# Altium PCB PCB-Tester-Board.PcbDoc (part 6 of 7)
Units mm, origin at the board's own origin, x right, y up, seen from the top; angles counter-clockwise.
Board outline 400 x 300 mm, 8 copper layers (Top Layer, Inner1, Inner2, Inner3, Inner4, Inner5, Inner6, Bottom Layer), stack 1.515 mm thick; 757 components, 658 nets, 2830 pads, 1016 vias.
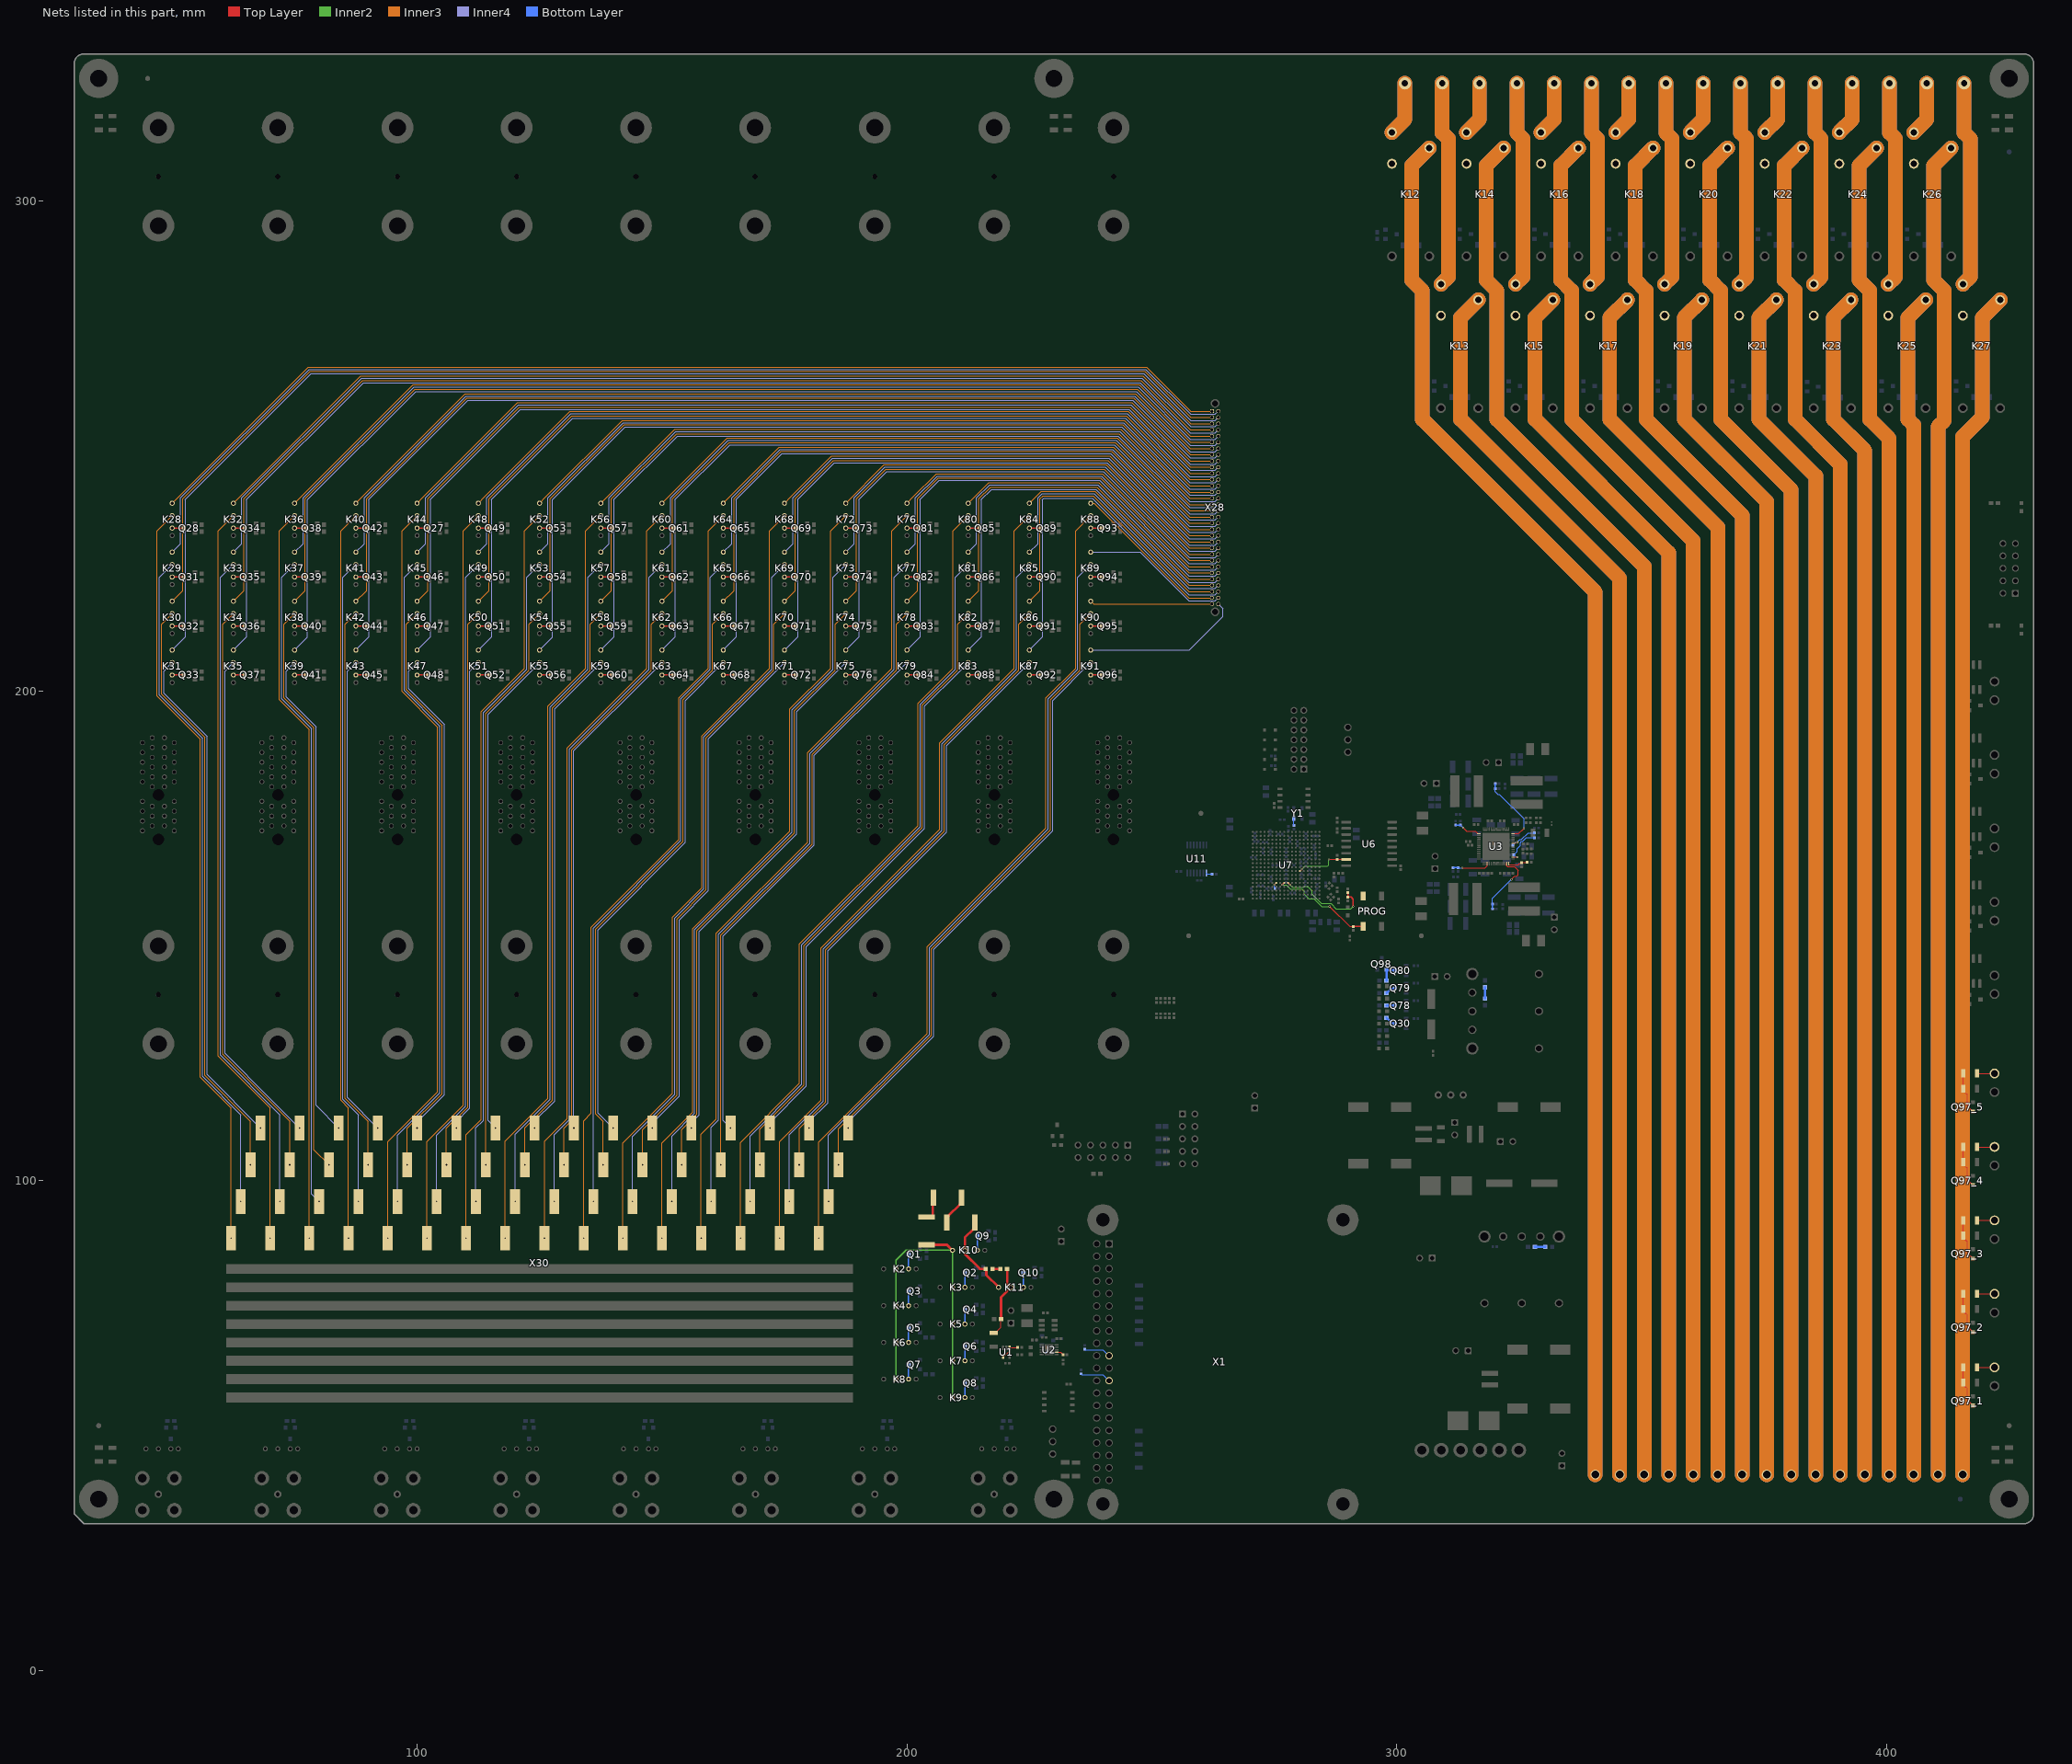
[diagram p12: the nets of this part, all layers, seen from the top]

## Via types
v1: diameter 0.4, hole 0.2, Top Layer to Bottom Layer, 601 vias
v2: diameter 0.8, hole 0.3, Top Layer to Bottom Layer, 361 vias
v3: diameter 0.7, hole 0.3, Top Layer to Bottom Layer, 54 vias

## Nets (pads, with @x,y where several pads share a name; then routed paths per layer and width w, separated by ;. In a path a pad name is that pad's centre, name@x,y a point inside that pad or via, vN(x,y) a via of type N, cw(c..) or ccw(c..) an arc to the next point about the centre after c; other vN are vias at no path point) (continued)
NetK2_2: K2.2 Q1.3 | length 3
  Bottom Layer w0.254: K2.2@200.33,82 Q1.3@200.33,84.98
NetK2_3: K2.3 K3.3 K4.3 K5.3 K6.3 K7.3 K8.3 K9.3 K10.4 R109.2 | length 72.4
  Top Layer w0.508: R109.2@204,86.9 208.18,86.9 K10.4@209.29,85.79
  Inner2 w0.254: K8.3@197.79,59.5 K6.3@197.79,67 K4.3@197.79,74.5 K2.3@197.79,82 197.79,83.79 199.79,85.79 K10.4@209.29,85.79 K3.3@209.29,78.25 K5.3@209.29,70.75 K7.3@209.29,63.25 K9.3@209.29,55.75
NetK3_2: K3.2 Q2.3 | length 3
  Bottom Layer w0.254: K3.2@211.83,78.25 Q2.3@211.83,81.23
NetK4_2: K4.2 Q3.3 | length 3
  Bottom Layer w0.254: K4.2@200.33,74.5 Q3.3@200.33,77.48
NetK5_2: K5.2 Q4.3 | length 3
  Bottom Layer w0.254: K5.2@211.83,70.75 Q4.3@211.83,73.73
NetK6_2: K6.2 Q5.3 | length 3
  Bottom Layer w0.254: K6.2@200.33,67 Q5.3@200.33,69.98
NetK7_2: K7.2 Q6.3 | length 3
  Bottom Layer w0.254: K7.2@211.83,63.25 Q6.3@211.83,66.23
NetK8_2: K8.2 Q7.3 | length 3
  Bottom Layer w0.254: K8.2@200.33,59.5 Q7.3@200.33,62.48
NetK9_2: K9.2 Q8.3 | length 3
  Bottom Layer w0.254: K9.2@211.83,55.75 Q8.3@211.83,58.73
NetK10_2: K10.2 Q9.3 | length 3
  Bottom Layer w0.254: K10.2@214.37,85.79 Q9.3@214.37,88.77
NetK10_3: K10.3 K11.4 R110.2 R111.2 | length 17.6
  Top Layer w0.508: R110.2@213.85,91.5 213.85,90.4 213.554,90.104 213.535,90.104 211.83,88.399 K10.3@211.83,85.79 211.837,85.783 211.837,85.017 214.854,82 216.059,82 216.205,81.854 216.205,80.743 K11.4@218.698,78.25
NetK11_2: K11.2 Q10.3 | length 3
  Bottom Layer w0.254: K11.2@223.778,78.25 Q10.3@223.778,81.23
NetK11_3: K11.3 R13.2 R112.2 R177.2 | length 15.1
  Top Layer w0.152: R177.2@217.677,68.959 218.077,68.959 219.2,70.082 R13.2@219.2,71.75
  Top Layer w0.508: R13.2@219.2,71.75 219.206,71.756 219.206,76.218 K11.3@221.238,78.25 220.45,79.038 R112.2@220.45,82
NetK12_2: K12.2 X6.1 | length 575.7
  Inner3 w3: K12.2@306.62,310.8 303,307.18 303,283.876 305.21,281.666 305.21,255.445 340.5,220.155 X6.1@340.5,40
  Inner4 w3: K12.2@306.62,310.8 303,307.18 303,283.876 305.21,281.666 305.21,255.445 340.5,220.155 X6.1@340.5,40
NetK12_3: K12.3 X5.2 | length 22.2
  Inner3 w3: K12.3@299,314 301.655,316.655 X5.2@301.655,324
  Inner4 w3: K12.3@299,314 301.655,316.655 X5.2@301.655,324
NetK12_4: K12.4
NetK13_2: K13.2 X6.2 | length 509.5
  Inner3 w3: K13.2@316.62,279.8 313,276.18 313,255.445 345.5,222.945 X6.2@345.5,40
  Inner4 w3: K13.2@316.62,279.8 313,276.18 313,255.445 345.5,222.945 X6.2@345.5,40
NetK13_3: K13.3 X5.1 | length 84.3
  Inner3 w3: K13.3@309,283 310.5,284.5 310.5,312.695 309.265,313.93 X5.1@309.265,324
  Inner4 w3: K13.3@309,283 310.5,284.5 310.5,312.695 309.265,313.93 X5.1@309.265,324
NetK13_4: K13.4
NetK14_2: K14.2 X9.1 | length 571.3
  Inner3 w3: K14.2@321.84,310.8 318.22,307.18 318.22,283.876 320.43,281.666 320.43,255.445 350.5,225.375 X9.1@350.5,40
  Inner4 w3: K14.2@321.84,310.8 318.22,307.18 318.22,283.876 320.43,281.666 320.43,255.445 350.5,225.375 X9.1@350.5,40
NetK14_3: K14.3 X8.2 | length 22.2
  Inner3 w3: K14.3@314.22,314 316.875,316.655 X8.2@316.875,324
  Inner4 w3: K14.3@314.22,314 316.875,316.655 X8.2@316.875,324
NetK14_4: K14.4
NetK15_2: K15.2 X9.2 | length 505.2
  Inner3 w3: K15.2@331.84,279.8 328.22,276.18 328.22,255.445 355.5,228.165 X9.2@355.5,40
  Inner4 w3: K15.2@331.84,279.8 328.22,276.18 328.22,255.445 355.5,228.165 X9.2@355.5,40
NetK15_3: K15.3 X8.1 | length 84.3
  Inner3 w3: K15.3@324.22,283 325.72,284.5 325.72,312.695 324.485,313.93 X8.1@324.485,324
  Inner4 w3: K15.3@324.22,283 325.72,284.5 325.72,312.695 324.485,313.93 X8.1@324.485,324
NetK15_4: K15.4
NetK16_2: K16.2 X12.1 | length 567
  Inner3 w3: K16.2@337.06,310.8 333.44,307.18 333.44,283.876 335.65,281.666 335.65,255.445 360.5,230.595 X12.1@360.5,40
  Inner4 w3: K16.2@337.06,310.8 333.44,307.18 333.44,283.876 335.65,281.666 335.65,255.445 360.5,230.595 X12.1@360.5,40
NetK16_3: K16.3 X11.2 | length 22.2
  Inner3 w3: K16.3@329.44,314 332.095,316.655 X11.2@332.095,324
  Inner4 w3: K16.3@329.44,314 332.095,316.655 X11.2@332.095,324
NetK16_4: K16.4
NetK17_2: K17.2 X12.2 | length 500.9
  Inner3 w3: K17.2@347.06,279.8 343.44,276.18 343.44,255.445 365.5,233.385 X12.2@365.5,40
  Inner4 w3: K17.2@347.06,279.8 343.44,276.18 343.44,255.445 365.5,233.385 X12.2@365.5,40
NetK17_3: K17.3 X11.1 | length 84.3
  Inner3 w3: K17.3@339.44,283 340.94,284.5 340.94,312.695 339.705,313.93 X11.1@339.705,324
  Inner4 w3: K17.3@339.44,283 340.94,284.5 340.94,312.695 339.705,313.93 X11.1@339.705,324
NetK17_4: K17.4
NetK18_2: K18.2 X13.1 | length 562.7
  Inner3 w3: K18.2@352.28,310.8 348.66,307.18 348.66,283.876 350.87,281.666 350.87,255.445 370.5,235.815 X13.1@370.5,40
  Inner4 w3: K18.2@352.28,310.8 348.66,307.18 348.66,283.876 350.87,281.666 350.87,255.445 370.5,235.815 X13.1@370.5,40
NetK18_3: K18.3 X14.2 | length 22.2
  Inner3 w3: K18.3@344.66,314 347.315,316.655 X14.2@347.315,324
  Inner4 w3: K18.3@344.66,314 347.315,316.655 X14.2@347.315,324
NetK18_4: K18.4
NetK19_2: K19.2 X13.2 | length 496.5
  Inner3 w3: K19.2@362.28,279.8 358.66,276.18 358.66,255.445 375.5,238.605 X13.2@375.5,40
  Inner4 w3: K19.2@362.28,279.8 358.66,276.18 358.66,255.445 375.5,238.605 X13.2@375.5,40
NetK19_3: K19.3 X14.1 | length 84.3
  Inner3 w3: K19.3@354.66,283 356.16,284.5 356.16,312.695 354.925,313.93 X14.1@354.925,324
  Inner4 w3: K19.3@354.66,283 356.16,284.5 356.16,312.695 354.925,313.93 X14.1@354.925,324
NetK19_4: K19.4
NetK20_2: K20.2 X16.1 | length 558.4
  Inner3 w3: K20.2@367.5,310.8 363.88,307.18 363.88,283.876 366.09,281.666 366.09,255.445 380.5,241.035 X16.1@380.5,40
  Inner4 w3: K20.2@367.5,310.8 363.88,307.18 363.88,283.876 366.09,281.666 366.09,255.445 380.5,241.035 X16.1@380.5,40
NetK20_3: K20.3 X18.2 | length 22.2
  Inner3 w3: K20.3@359.88,314 362.535,316.655 X18.2@362.535,324
  Inner4 w3: K20.3@359.88,314 362.535,316.655 X18.2@362.535,324
NetK20_4: K20.4
NetK21_2: K21.2 X16.2 | length 492.2
  Inner3 w3: K21.2@377.5,279.8 373.88,276.18 373.88,255.445 385.5,243.825 X16.2@385.5,40
  Inner4 w3: K21.2@377.5,279.8 373.88,276.18 373.88,255.445 385.5,243.825 X16.2@385.5,40
NetK21_3: K21.3 X18.1 | length 84.3
  Inner3 w3: K21.3@369.88,283 371.38,284.5 371.38,312.695 370.145,313.93 X18.1@370.145,324
  Inner4 w3: K21.3@369.88,283 371.38,284.5 371.38,312.695 370.145,313.93 X18.1@370.145,324
NetK21_4: K21.4
NetK22_2: K22.2 X19.1 | length 554
  Inner3 w3: K22.2@382.72,310.8 379.1,307.18 379.1,283.876 381.31,281.666 381.31,255.445 390.5,246.255 X19.1@390.5,40
  Inner4 w3: K22.2@382.72,310.8 379.1,307.18 379.1,283.876 381.31,281.666 381.31,255.445 390.5,246.255 X19.1@390.5,40
NetK22_3: K22.3 X20.2 | length 22.2
  Inner3 w3: K22.3@375.1,314 377.755,316.655 X20.2@377.755,324
  Inner4 w3: K22.3@375.1,314 377.755,316.655 X20.2@377.755,324
NetK22_4: K22.4
NetK23_2: K23.2 X19.2 | length 487.9
  Inner3 w3: K23.2@392.72,279.8 389.1,276.18 389.1,255.445 395.5,249.045 X19.2@395.5,40
  Inner4 w3: K23.2@392.72,279.8 389.1,276.18 389.1,255.445 395.5,249.045 X19.2@395.5,40
NetK23_3: K23.3 X20.1 | length 84.3
  Inner3 w3: K23.3@385.1,283 386.6,284.5 386.6,312.695 385.365,313.93 X20.1@385.365,324
  Inner4 w3: K23.3@385.1,283 386.6,284.5 386.6,312.695 385.365,313.93 X20.1@385.365,324
NetK23_4: K23.4
NetK24_2: K24.2 X22.1 | length 549.7
  Inner3 w3: K24.2@397.94,310.8 394.32,307.18 394.32,283.876 396.53,281.666 396.53,255.445 400.5,251.475 X22.1@400.5,40
  Inner4 w3: K24.2@397.94,310.8 394.32,307.18 394.32,283.876 396.53,281.666 396.53,255.445 400.5,251.475 X22.1@400.5,40
NetK24_3: K24.3 X23.2 | length 22.2
  Inner3 w3: K24.3@390.32,314 392.975,316.655 X23.2@392.975,324
  Inner4 w3: K24.3@390.32,314 392.975,316.655 X23.2@392.975,324
NetK24_4: K24.4
NetK25_2: K25.2 X22.2 | length 483.6
  Inner3 w3: X22.2@405.5,40 405.5,254.265 404.32,255.445 404.32,276.18 K25.2@407.94,279.8
  Inner4 w3: X22.2@405.5,40 405.5,254.265 404.32,255.445 404.32,276.18 K25.2@407.94,279.8
NetK25_3: K25.3 X23.1 | length 84.3
  Inner3 w3: K25.3@400.32,283 401.82,284.5 401.82,312.695 400.585,313.93 X23.1@400.585,324
  Inner4 w3: K25.3@400.32,283 401.82,284.5 401.82,312.695 400.585,313.93 X23.1@400.585,324
NetK25_4: K25.4
NetK26_2: K26.2 X24.1 | length 547.5
  Inner3 w3: X24.1@410.5,40 410.5,253.941 411.75,255.191 411.75,281.666 409.54,283.876 409.54,307.18 K26.2@413.16,310.8
  Inner4 w3: X24.1@410.5,40 410.5,253.941 411.75,255.191 411.75,281.666 409.54,283.876 409.54,307.18 K26.2@413.16,310.8
NetK26_3: K26.3 X26.2 | length 22.2
  Inner3 w3: K26.3@405.54,314 408.195,316.655 X26.2@408.195,324
  Inner4 w3: K26.3@405.54,314 408.195,316.655 X26.2@408.195,324
NetK26_4: K26.4
NetK27_2: K27.2 X24.2 | length 485.9
  Inner3 w3: X24.2@415.5,40 415.5,251.87 419.54,255.91 419.54,276.18 K27.2@423.16,279.8
  Inner4 w3: X24.2@415.5,40 415.5,251.87 419.54,255.91 419.54,276.18 K27.2@423.16,279.8
NetK27_3: K27.3 X26.1 | length 84.3
  Inner3 w3: K27.3@415.54,283 417.04,284.5 417.04,312.695 415.805,313.93 X26.1@415.805,324
  Inner4 w3: K27.3@415.54,283 417.04,284.5 417.04,312.695 415.805,313.93 X26.1@415.805,324
NetK27_4: K27.4
NetK28_2: K28.2 Q28.3 | length 2.4
  Top Layer w0.254: K28.2@50,233.222 Q28.3@52.35,233.222
NetK28_3: K28.3 X30.1 | length 155
  Inner3 w0.203: K28.3@50,235.762 46.914,232.676 46.914,198.961 55.737,190.139 55.737,121.089 62,114.825 v2(62,88.25)
NetK28_4: K28.4 X28.1 | length 227.5
  Inner3 w0.203: K28.4@50,238.302 77.786,266.088 248.914,266.088 257.918,257.085 X28.1@262.268,257.085
NetK29_2: K29.2 Q31.3 | length 2.4
  Top Layer w0.254: K29.2@50,223.222 Q31.3@52.35,223.222
NetK29_3: K29.3 X30.2 | length 138
  Inner4 w0.203: K29.3@50,225.762 47.368,223.13 47.368,199.149 56.19,190.327 56.19,121.277 64,113.467 v2(64,95.75)
NetK29_4: K29.4 X28.2 | length 238.6
  Inner4 w0.127: 261.645,256.45 262.903,256.45 X28.2@263.538,257.085
  Inner4 w0.203: K29.4@50,228.302 51.725,230.027 51.725,239.385 77.974,265.635 248.726,265.635 257.911,256.45 261.645,256.45
NetK30_2: K30.2 Q32.3 | length 2.4
  Top Layer w0.254: K30.2@50,213.222 Q32.3@52.35,213.222
NetK30_3: K30.3 X30.3 | length 120.9
  Inner3 w0.203: K30.3@50,215.762 47.821,213.583 47.821,199.337 56.644,190.514 56.644,121.464 66,112.108 v2(66,103.25)
NetK30_4: K30.4 X28.3 | length 246.5
  Inner3 w0.203: K30.4@50,218.302 52.179,220.481 52.179,239.197 78.162,265.181 248.538,265.181 257.904,255.815 X28.3@262.268,255.815
NetK31_2: K31.2 Q33.3 | length 2.4
  Top Layer w0.254: K31.2@50,203.222 Q33.3@52.35,203.222
NetK31_3: K31.3 X30.4 | length 103.9
  Inner4 w0.203: K31.3@50,205.762 48.275,204.037 48.275,199.525 57.098,190.702 57.098,121.652 v2(68,110.75)
NetK31_4: K31.4 X28.4 | length 257.6
  Inner4 w0.127: 261.645,255.18 262.903,255.18 X28.4@263.538,255.815
  Inner4 w0.203: K31.4@50,208.302 52.632,210.934 52.632,239.009 78.35,264.728 248.35,264.728 257.898,255.18 261.645,255.18
NetK32_2: K32.2 Q34.3 | length 2.4
  Top Layer w0.254: K32.2@62.5,233.222 Q34.3@64.85,233.222
NetK32_3: K32.3 X30.5 | length 153.2
  Inner3 w0.203: K32.3@62.5,235.762 59.414,232.676 59.414,125.411 70,114.825 v2(70,88.25)
NetK32_4: K32.4 X28.5 | length 214.6
  Inner3 w0.203: K32.4@62.5,238.302 63.771,239.573 88.472,264.274 248.162,264.274 257.891,254.545 X28.5@262.268,254.545
NetK33_2: K33.2 Q35.3 | length 2.4
  Top Layer w0.254: K33.2@62.5,223.222 Q35.3@64.85,223.222
NetK33_3: K33.3 X30.6 | length 136.1
  Inner4 w0.203: K33.3@62.5,225.762 59.868,223.13 59.868,125.599 72,113.467 v2(72,95.75)
NetK33_4: K33.4 X28.6 | length 225.6
  Inner4 w0.127: 261.645,253.91 262.903,253.91 X28.6@263.538,254.545
  Inner4 w0.203: K33.4@62.5,228.302 64.225,230.027 64.225,239.385 88.66,263.82 247.975,263.82 257.885,253.91 261.645,253.91
NetK34_2: K34.2 Q36.3 | length 2.4
  Top Layer w0.254: K34.2@62.5,213.222 Q36.3@64.85,213.222
NetK34_3: K34.3 X30.7 | length 119.1
  Inner3 w0.203: K34.3@62.5,215.762 60.321,213.583 60.321,125.787 74,112.108 v2(74,103.25)
NetK34_4: K34.4 X28.7 | length 233.6
  Inner3 w0.203: K34.4@62.5,218.302 64.679,220.481 64.679,239.197 88.848,263.367 247.787,263.367 257.878,253.275 X28.7@262.268,253.275
NetK35_2: K35.2 Q37.3 | length 2.4
  Top Layer w0.254: K35.2@62.5,203.222 Q37.3@64.85,203.222
NetK35_3: K35.3 X30.8 | length 102
  Inner4 w0.203: K35.3@62.5,205.762 60.775,204.037 60.775,125.975 69.925,116.825 v2(76,110.75)
NetK35_4: K35.4 X28.8 | length 244.6
  Inner4 w0.127: 261.645,252.64 262.903,252.64 X28.8@263.538,253.275
  Inner4 w0.203: K35.4@62.5,208.302 65.132,210.934 65.132,239.009 89.036,262.913 247.599,262.913 257.872,252.64 261.645,252.64
NetK36_2: K36.2 Q38.3 | length 2.4
  Top Layer w0.254: K36.2@75,233.222 Q38.3@77.35,233.222
NetK36_3: K36.3 X30.9 | length 151.3
  Inner3 w0.203: K36.3@75,235.762 71.914,232.676 71.914,198.22 78,192.134 v2(78,88.25)
NetK36_4: K36.4 X28.9 | length 201.6
  Inner3 w0.203: K36.4@75,238.302 99.157,262.459 247.411,262.459 257.865,252.005 X28.9@262.268,252.005
NetK37_2: K37.2 Q39.3 | length 2.4
  Top Layer w0.254: K37.2@75,223.222 Q39.3@77.35,223.222
NetK37_3: K37.3 X30.10 | length 134.3
  Inner4 w0.203: K37.3@75,225.762 72.368,223.13 72.368,198.407 78.454,192.322 78.454,97.296 v2(80,95.75)
NetK37_4: K37.4 X28.10 | length 212.6
  Inner4 w0.127: 261.645,251.37 262.903,251.37 X28.10@263.538,252.005
  Inner4 w0.203: K37.4@75,228.302 76.725,230.027 76.725,239.385 99.345,262.006 247.223,262.006 257.858,251.37 261.645,251.37
NetK38_2: K38.2 Q40.3 | length 2.4
  Top Layer w0.254: K38.2@75,213.222 Q40.3@77.35,213.222
NetK38_3: K38.3 X30.11 | length 117.2
  Inner3 w0.203: K38.3@75,215.762 72.821,213.583 72.821,198.595 78.907,192.51 78.907,106.343 v2(82,103.25)
NetK38_4: K38.4 X28.11 | length 220.6
  Inner3 w0.203: K38.4@75,218.302 77.179,220.481 77.179,239.197 99.533,261.552 247.035,261.552 257.852,250.735 X28.11@262.268,250.735
NetK39_2: K39.2 Q41.3 | length 2.4
  Top Layer w0.254: K39.2@75,203.222 Q41.3@77.35,203.222
NetK39_3: K39.3 X30.12 | length 100.2
  Inner4 w0.203: K39.3@75,205.762 73.275,204.037 73.275,198.783 79.361,192.697 79.361,115.389 v2(84,110.75)
NetK39_4: K39.4 X28.12 | length 231.7
  Inner4 w0.127: 261.645,250.1 262.903,250.1 X28.12@263.538,250.735
  Inner4 w0.203: K39.4@75,208.302 77.632,210.934 77.632,239.009 99.721,261.098 246.847,261.098 257.845,250.1 261.645,250.1
NetK40_2: K40.2 Q42.3 | length 2.4
  Top Layer w0.254: K40.2@87.5,233.222 Q42.3@89.85,233.222
NetK40_3: K40.3 X30.13 | length 149.4
  Inner3 w0.203: v2(86,88.25) 86,114.825 84.414,116.411 84.414,232.676 K40.3@87.5,235.762
NetK40_4: K40.4 X28.13 | length 188.7
  Inner3 w0.203: K40.4@87.5,238.302 88.771,239.573 109.843,260.645 246.659,260.645 257.839,249.465 X28.13@262.268,249.465
NetK41_2: K41.2 Q43.3 | length 2.4
  Top Layer w0.254: K41.2@87.5,223.222 Q43.3@89.85,223.222
NetK41_3: K41.3 X30.14 | length 132.4
  Inner4 w0.203: K41.3@87.5,225.762 84.868,223.13 84.868,116.599 88,113.467 v2(88,95.75)
NetK41_4: K41.4 X28.14 | length 199.7
  Inner4 w0.127: 261.645,248.83 262.903,248.83 X28.14@263.538,249.465
  Inner4 w0.203: K41.4@87.5,228.302 89.225,230.027 89.225,239.385 110.03,260.191 246.471,260.191 257.832,248.83 261.645,248.83
NetK42_2: K42.2 Q44.3 | length 2.4
  Top Layer w0.254: K42.2@87.5,213.222 Q44.3@89.85,213.222
NetK42_3: K42.3 X30.15 | length 115.4
  Inner3 w0.203: K42.3@87.5,215.762 85.321,213.583 85.321,116.787 90,112.108 v2(90,103.25)
NetK42_4: K42.4 X28.15 | length 207.7
  Inner3 w0.203: K42.4@87.5,218.302 89.679,220.481 89.679,239.197 110.218,259.737 246.283,259.737 257.826,248.195 X28.15@262.268,248.195
NetK43_2: K43.2 Q45.3 | length 2.4
  Top Layer w0.254: K43.2@87.5,203.222 Q45.3@89.85,203.222
NetK43_3: K43.3 X30.16 | length 98.3
  Inner4 w0.203: K43.3@87.5,205.762 85.775,204.037 85.775,116.975 v2(92,110.75)
NetK43_4: K43.4 X28.16 | length 218.7
  Inner4 w0.127: 261.645,247.56 262.903,247.56 X28.16@263.538,248.195
  Inner4 w0.203: K43.4@87.5,208.302 90.132,210.934 90.132,239.009 110.406,259.284 246.095,259.284 257.819,247.56 261.645,247.56
NetK44_2: K44.2 Q27.3 | length 2.4
  Top Layer w0.254: K44.2@100,233.222 Q27.3@102.35,233.222
NetK44_3: K44.3 X30.17 | length 156
  Inner3 w0.203: v2(94,88.25) 94,107.975 104.183,118.158 104.183,192.605 96.914,199.874 96.914,232.676 K44.3@100,235.762
NetK44_4: K44.4 X28.17 | length 175.7
  Inner3 w0.203: K44.4@100,238.302 101.271,239.573 120.528,258.83 245.908,258.83 257.812,246.925 X28.17@262.268,246.925
NetK45_2: K45.2 Q46.3 | length 2.4
  Top Layer w0.254: K45.2@100,223.222 Q46.3@102.35,223.222
NetK45_3: K45.3 X30.18 | length 137.7
  Inner4 w0.203: v2(96,95.75) 96,109.333 104.637,117.97 104.637,192.793 97.368,200.062 97.368,223.13 K45.3@100,225.762
NetK45_4: K45.4 X28.18 | length 186.7
  Inner4 w0.127: 261.645,246.29 262.903,246.29 X28.18@263.538,246.925
  Inner4 w0.203: K45.4@100,228.302 101.725,230.027 101.725,239.385 120.716,258.376 245.72,258.376 257.806,246.29 261.645,246.29
NetK46_2: K46.2 Q47.3 | length 2.4
  Top Layer w0.254: K46.2@100,213.222 Q47.3@102.35,213.222
NetK46_3: K46.3 X30.19 | length 119.4
  Inner3 w0.203: v2(98,103.25) 98,110.692 105.091,117.782 105.091,192.981 ; K46.3@100,215.762 97.821,213.583 97.821,200.25 105.091,192.981
NetK46_4: K46.4 X28.19 | length 194.7
  Inner3 w0.203: K46.4@100,218.302 102.179,220.481 102.179,239.197 120.904,257.923 245.532,257.923 257.799,245.655 X28.19@262.268,245.655
NetK47_2: K47.2 Q48.3 | length 2.4
  Top Layer w0.254: K47.2@100,203.222 Q48.3@102.35,203.222
NetK47_3: K47.3 X30.20 | length 101
  Inner4 w0.203: v2(100,110.75) 100,112.05 105.544,117.594 105.544,193.169 98.275,200.438 98.275,204.037 K47.3@100,205.762
NetK47_4: K47.4 X28.20 | length 205.8
  Inner4 w0.127: 261.645,245.02 262.903,245.02 X28.20@263.538,245.655
  Inner4 w0.203: K47.4@100,208.302 102.632,210.934 102.632,239.009 121.092,257.469 245.344,257.469 257.793,245.02 261.645,245.02
NetK48_2: K48.2 Q49.3 | length 2.4
  Top Layer w0.254: K48.2@112.5,233.222 Q49.3@114.85,233.222
NetK48_3: K48.3 X30.21 | length 151.9
  Inner3 w0.203: v2(102,88.25) 102,107.949 109.414,115.363 109.414,232.676 K48.3@112.5,235.762
NetK48_4: K48.4 X28.21 | length 162.8
  Inner3 w0.203: K48.4@112.5,238.302 113.771,239.573 131.213,257.015 245.156,257.015 257.786,244.385 X28.21@262.268,244.385
NetK49_2: K49.2 Q50.3 | length 2.4
  Top Layer w0.254: K49.2@112.5,223.222 Q50.3@114.85,223.222
NetK49_3: K49.3 X30.22 | length 133.5
  Inner4 w0.203: v2(104,95.75) 104,109.307 109.868,115.175 109.868,223.13 K49.3@112.5,225.762